# Allegro board C000PD020-3399PRO-DMEB-A-A01.brd (continued)
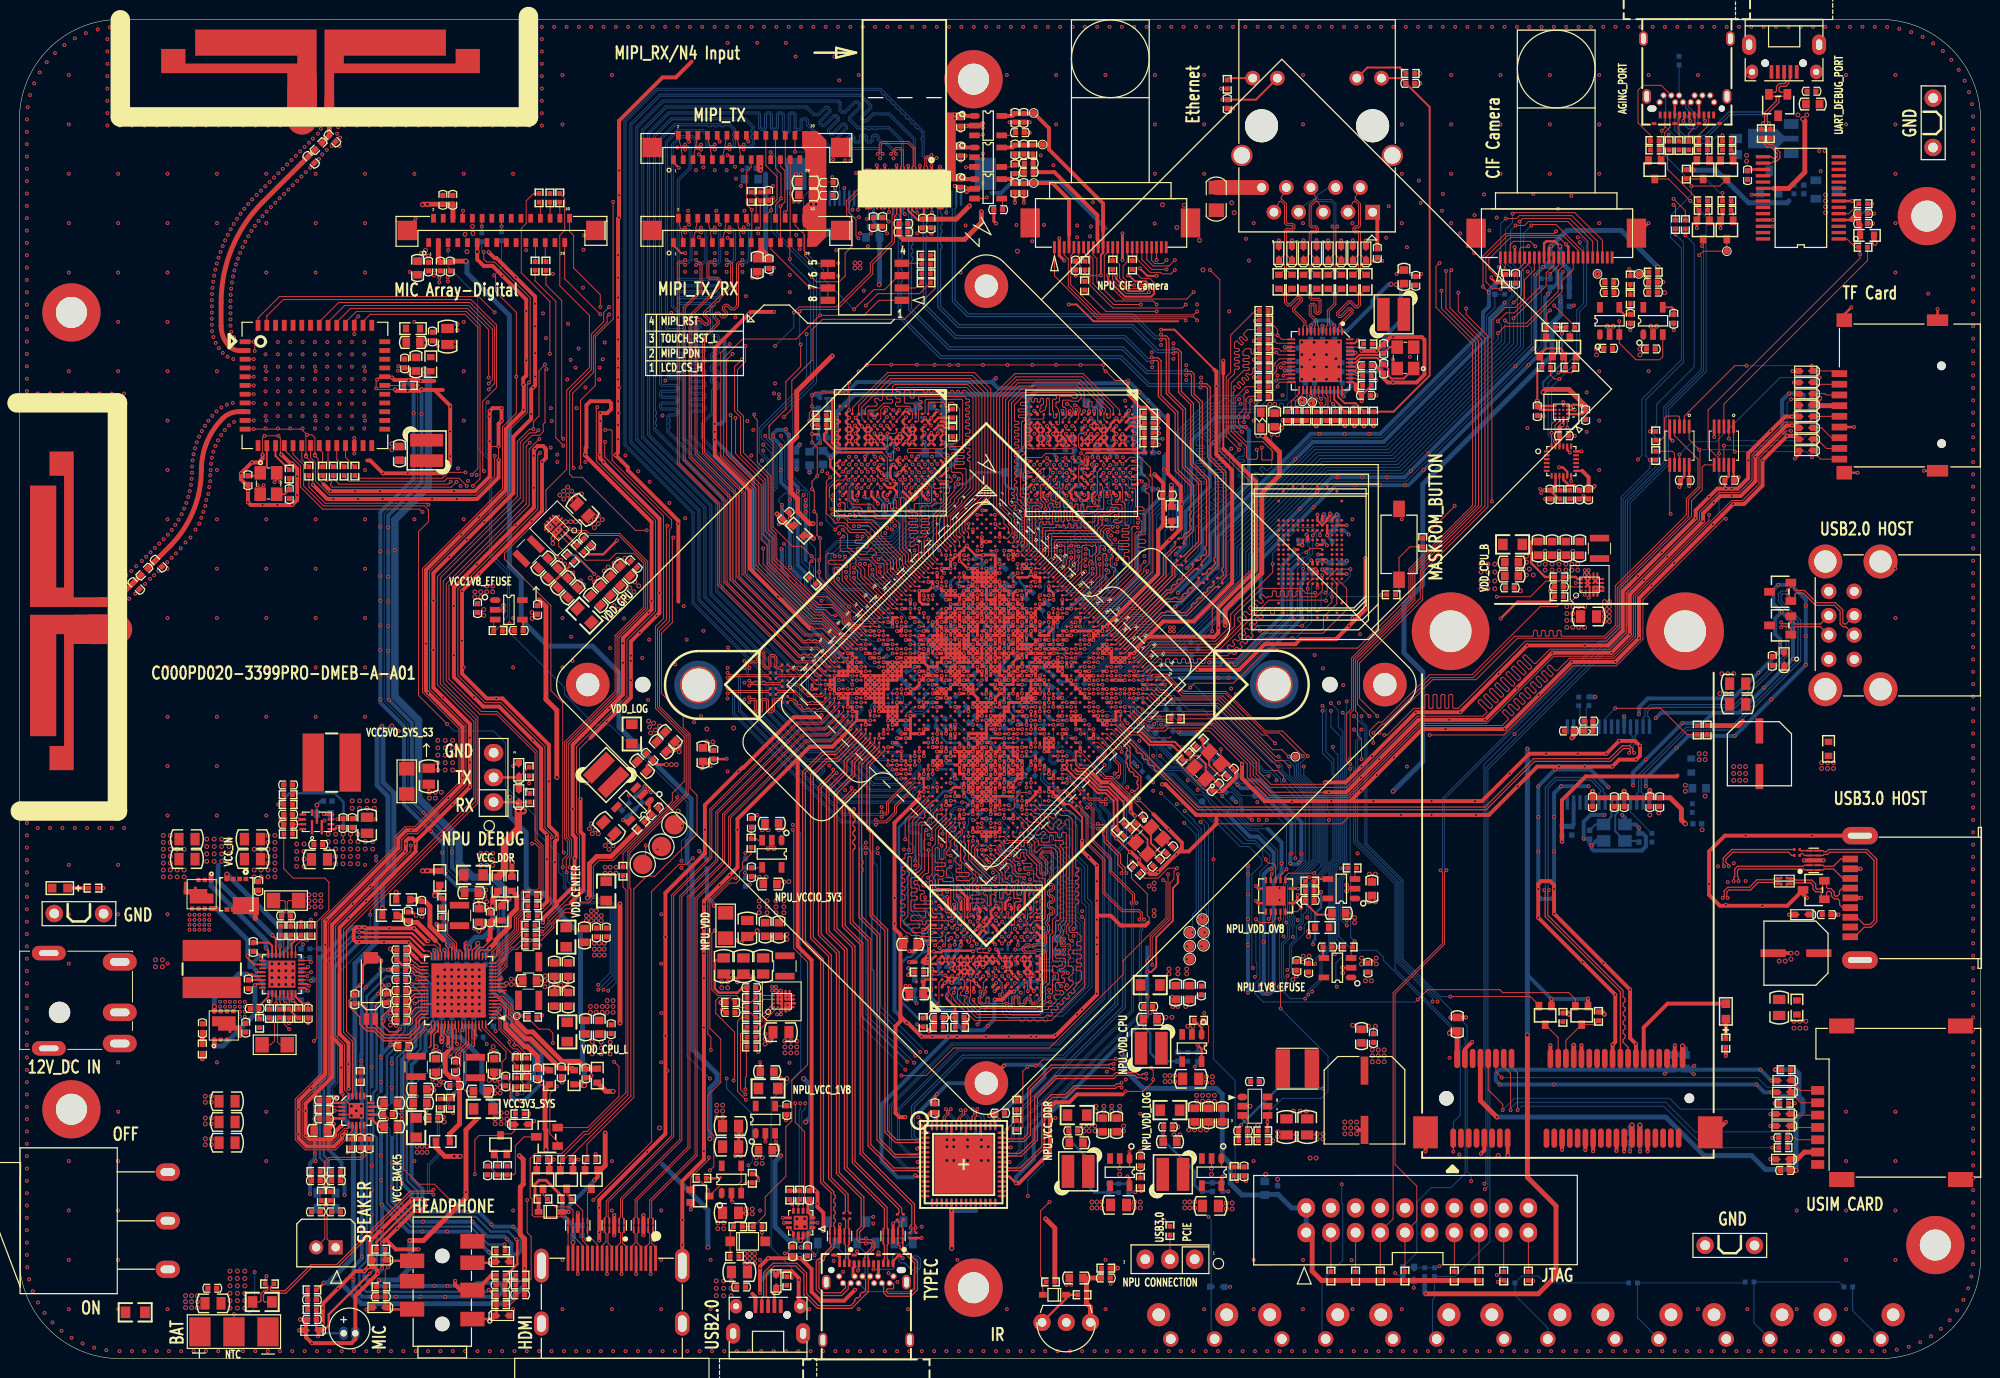
[diagram p0: board, top side]
## Routing (per net, layer and track width the routed paths; a pad name or vN(x,y) marks a point on that pad's centre or on a via; arc(x,y) is an arc through that point) (continued)
VDD_GPU_P: length 3.9
  TOP w0.254: 54.79,79.72 v1(56.67,81.6) 56.67,81.67 R2205.2
  BOTTOM w0.254: v1(56.67,81.6) 56.67,81.67 R2205.2
VDD_GPU_S0: length 24.2
  TOP w0.305: U1000.V15 97.65,73.03 v1(97.65,73.03) ; U1000.V15 98.57,73.03 v1(98.57,73.03) U1000.V16 v1(98.11,72.57) ; U1000.V15 v1(98.11,73.49) U1000.V14 ; U1000.V15 v1(98.11,72.57) ; 97.19,73.49 U1000.W14 97.19,73.03 v1(97.65,73.03) ; 97.19,73.49 U1000.V14 ; 97.19,73.49 U1000.V13 ; U1000.R12 v1(98.11,75.33) ; U1000.R12 v1(98.57,75.79) U1000.R13 ; U1000.R12 v1(98.11,76.25) U1000.R11 ; U1000.R12 v1(97.65,75.79) ; v1(98.11,75.33) 98.11,75.33 ; v1(98.11,75.33) 98.11,75.33 ; v1(98.11,75.33) U1000.T13 ; 98.11,75.33 U1000.R13 ; 98.11,75.33 U1000.T12 ; U1000.T12 v1(97.65,75.79) ; U1000.T12 v1(97.65,74.87) ; v1(97.65,75.79) U1000.R11 ; v1(97.65,75.79) U1000.T11 v1(97.19,76.25) U1000.R11 ; U1000.R11 v1(97.65,76.71) ; U1000.R13 98.57,74.87 ; v1(98.11,72.57) U1000.W16 ; v1(98.11,72.57) U1000.W15 v1(97.65,73.03) ; v1(97.65,74.87) U1000.U13 ; v1(97.65,74.87) U1000.T13 ; v1(97.65,73.03) U1000.V14 ; U1000.W11 v1(95.82,74.87) ; v1(95.82,74.87) U1000.V11 ; v1(95.82,74.87) U1000.W10 v1(95.36,75.33) ; v1(97.19,74.41) U1000.U13 ; v1(97.19,74.41) U1000.V13 ; v1(97.19,74.41) U1000.V12 ; U1000.U13 97.65,73.95 ; v1(96.27,74.41) 96.28,74.41 U1000.V12 ; v1(96.27,74.41) U1000.V11 ; v1(96.27,74.41) U1000.W12 ; U1000.V14 97.65,73.95 ; 97.65,73.95 U1000.V13 ; U1000.V12 v1(96.73,74.87) 96.28,74.87 U1000.V11 ; 98.57,74.87 U1000.T13 ; 98.57,74.87 U1000.T14 ; U1000.V11 v1(96.27,75.33)
  BOTTOM w0.254: 98.87,75.77 98.59,75.77 v1(98.57,75.79)
  vias: v2(60.58,76.77) v2(60.99,76.36) v2(61.19,77.48) v2(61.6,77.07) v2(61.7,78.09) v2(62.1,77.68) v2(62.2,78.7) v2(62.61,78.29) v2(62.81,79.31) v2(63.22,78.9) v2(63.32,79.92) v2(63.73,79.51)
VDD_LOG_S3: length 15.2
  TOP w0.305: v1(99.95,70.73) U1000.V19 ; v1(99.95,70.73) U1000.W20 ; v1(99.95,70.73) 100.41,70.73 ; U1000.V19 v1(99.95,71.65) ; U1000.V19 100.41,71.19 v1(100.41,71.19) ; v1(99.95,71.65) U1000.V18 v1(99.49,72.11) ; v1(99.95,71.65) U1000.U18 ; v1(99.49,72.11) U1000.U18 ; v1(99.49,72.11) U1000.U17 ; 100.87,70.78 U1000.U20 ; 100.87,70.78 100.83,70.73 100.41,70.73 ; 100.87,70.78 100.87,70.27 v1(101.33,70.27) U1000.V22 v1(101.79,69.81) ; U1000.U20 v1(100.87,71.65) ; U1000.U20 v1(100.41,71.19) ; U1000.U18 v1(99.95,72.57) ; v1(99.95,72.57) U1000.U17 ; v1(99.95,72.57) U1000.T17 ; v1(102.25,75.79) U1000.L17 101.79,75.33 v1(101.79,75.33) U1000.M17 ; U1000.U17 v1(99.49,73.03) 99.95,73.03 U1000.T17 ; v1(100.41,71.19) 100.41,70.73 ; U1000.T17 v1(99.95,73.49)
  BOTTOM w0.254: v1(101.33,70.27) 101.54,70.06 C1035.1 101.57,70.03 v1(101.79,69.81) ; v1(101.79,75.33) 101.31,75.81 C1031.1
  BOTTOM w0.305: C1037.1 101.82,75.08 101.82,75.3 v1(101.79,75.33) v1(102.25,75.79)
  vias: v1(99.03,69.81) v2(60.27,50.56) v2(60.27,49.95) v2(60.78,50.56) v2(60.78,49.95) v2(61.39,50.56) v2(61.39,49.95) v2(64.74,65.59) v2(64.85,64.98) v2(64.95,64.37) v2(65.25,65.39) v2(65.46,64.68) v2(65.86,65.09) v2(70.74,63.46) v2(71.35,63.46)
VDDA: length 10.1
  TOP w0.203: v1(24.36,39.94) 24.54,39.76 U2003.28
  BOTTOM w0.406: R2025.2 27.86,43.5 27.86,42.53 26.85,41.51 24.83,41.51 C2030.2 23.86,40.44 v1(24.36,39.94) 24.36,39.33 25.08,38.61 R2023.1
ADC0_HW_ID1: length 124.4
  TOP w0.102: v1(44.11,114.06) J7500.5
  TOP w0.305: U1000.W27 v1(103.63,67.05)
  S1 w0.089: v1(103.63,67.05) 103.19,67.05 103.05,66.92 103.03,66.92 96.83,60.72 96.55,60.72 95.38,59.55 95.38,58.48 93.32,56.42
  S1 w0.102: 93.32,56.42 92.53,55.64 92.53,50.89 92.54,50.88 92.54,50.59 92.53,50.58 92.53,50.57 92.31,50.35 76.51,50.35 76.51,50.35 75.86,50.35 75.86,50.35 75.01,50.35 v1(74.65,50) 74.3,50.35 71.55,50.35 70.03,51.88 68.76,51.88 68.12,51.24 v1(68.12,51.21)
  BOTTOM w0.089: C7506.1 103.63,67.02 v1(103.63,67.05)
  BOTTOM w0.102: v1(68.12,51.21) 68.12,53.22 68.71,53.81 68.71,57.26 60.77,65.2 59.23,65.2 56.08,68.36 56.08,69.08 50.57,74.59 50.57,75.06 50.36,75.27 49.89,75.27 49.81,75.35 49.81,75.96 50.22,76.36 50.22,80.73 48.39,82.56 48.39,92.42 47.15,93.65 47.15,109.3 44.11,112.34 v1(44.11,114.06) ; R1508.2 74.7,50.05 v1(74.65,50) 74.7,49.95 R1509.1
ADC2_KEY_IN: length 276.2
  TOP w0.102: v1(146.33,109.89) 146.33,108.06 149.83,104.56 149.83,87.79 143.18,81.14 143.18,78.19 137.08,72.1 137.08,66.86 136.53,66.3 136.53,61.58 136.88,61.22 136.88,61.19 v1(136.93,61.19) ; J7500.8 45.61,118.08 v1(45.64,118.12)
  TOP w0.305: U1000.Y28 v1(103.63,66.14)
  S1 w0.089: 110.26,61.02 109.58,61.7 108.87,61.7 105.49,65.09 105.49,65.69 104.91,66.27 104.87,66.27 104.61,66.53 104.48,66.53 104.09,66.14 v1(103.63,66.14)
  S1 w0.102: v1(136.93,61.19) 137.12,61.19 137.29,61.02 137.29,60.51 137.08,60.31 132.43,60.31 127.91,55.79 115.49,55.79 114.43,56.86 113.11,56.86 110.77,59.19 110.77,60.51 110.26,61.02 ; v1(45.64,118.12) 46.46,118.12 49.66,114.92 102.95,114.92 107.01,110.86 124.69,110.86 126.31,109.23 145.67,109.23 v1(146.33,109.89) ; v1(146.13,9.51) 147.24,8.39 151.82,8.39 v1(152.02,8.6)
  BOTTOM w0.102: R1502.1 152.18,8.6 v1(152.02,8.6) ; v1(146.13,9.51) 145.97,9.35 R1501.1 R1500.1 143.52,9.35 ED1500.1 143.39,9.45 C1500.1 143.79,10.87 143.79,16.11 145.26,17.59 147.29,17.59 148.77,19.06 148.77,32.88 141.55,40.09 141.55,48.83 137.29,53.1 137.29,60.83 v1(136.93,61.19)
ADC3_HP_HOOK: length 105.6
  TOP w0.102: v1(69.29,51.5) 68.66,50.86 67.85,50.86 65.05,48.06 65.05,22.31 v1(59.06,16.32) ; R7001.2 50.52,5.55 51.03,6.06 51.03,6.52 C7000.1 R7012.1 51.48,7.99 52.45,7.99 52.65,8.19 52.65,12.56 52.25,12.96 v1(52.25,16.32)
  TOP w0.305: U1000.Y27 v1(103.17,66.59)
  S1 w0.089: 93.54,56.2 94.85,57.52 95.47,57.52 96.14,58.19 96.15,58.19 96.34,58.38 96.34,59.31 99.28,62.25 102.74,65.71 102.74,66.17 v1(103.17,66.59)
  S1 w0.102: v1(59.06,16.32) 58.85,16.52 52.45,16.52 v1(52.25,16.32) ; 93.54,56.2 92.74,55.4 92.74,50.97 92.74,50.97 92.74,50.51 92.74,50.5 92.74,50.49 92.4,50.15 76.42,50.15 76.42,50.15 75.95,50.15 75.46,50.15 74.96,49.64 74.14,49.64 73.63,50.15 71.15,50.15 69.8,51.5 v1(69.29,51.5)
ADC5_BOARD_ID: length 5.4
  TOP w0.305: U1000.AA27 v1(102.25,65.68)
  BOTTOM w0.089: R1513.1 99.16,64.78 99.97,64.78 100.55,65.35 100.81,65.62 100.81,66.08 R1512.1 101.41,66.22 101.94,65.68 101.94,65.4 101.98,65.4 v1(102.25,65.68)
BATT_TC_L: length 159.7
  TOP w0.102: BT2000.2 v1(22.07,4.58) ; v1(117.68,49.24) 117.78,49.24 117.98,49.03 117.98,45.36 113.56,40.94 113.56,39.53 105.99,31.96 96.14,31.96 93.29,29.12 v1(90.75,29.12)
  TOP w0.203: U1000.Y29 v1(103.63,65.22)
  S1 w0.089: v1(103.63,65.22) 103.63,64.76 103.95,64.43 103.95,64.16 103.76,63.97 103.26,63.97 102.34,63.05 102.34,62.38 102.39,62.33 102.39,62.32 102.57,62.13 102.58,62.13 102.85,61.87 102.85,61.86 103.03,61.68 104.06,61.68 104.27,61.89 104.78,61.89 106.98,59.68 106.98,59.57 107,59.55 107,57.76
  S1 w0.102: v1(24.21,8.9) 24.51,9.21 34.87,9.21 36.4,10.73 37.31,10.73 46.15,19.57 68.81,19.57 69.42,20.18 71.55,20.18 72.16,19.57 74.7,19.57 v1(75.01,19.87) ; v1(72.77,28.81) 72.97,29.02 76.02,29.02 77.04,28 89.64,28 v1(90.75,29.12) ; 107,57.76 107,56.41 112.95,50.46 114.83,50.46 115.65,49.64 117.27,49.64 v1(117.68,49.24)
  BOTTOM w0.102: v1(75.01,19.87) 75.41,20.28 75.41,25.16 72.77,27.8 v1(72.77,28.81) ; C2049.1 22.07,4.58 v1(22.07,4.58) 23.55,4.58 24.21,5.24 v1(24.21,8.9)
BT_HOST_WAKE_L: length 210.6
  TOP w0.102: U6100.50 24.55,107.09 26.75,109.28 47.27,109.28 v1(48.9,107.66) ; U1000.J35 v1(111.9,67.97) ; v1(148.87,108.06) 148.87,107.45 151.1,105.22 151.1,87.64 144.4,80.94 144.4,78.09 137.9,71.59 137.9,67.93 v1(139.73,66.1)
  S1 w0.102: v1(111.9,67.97) 111.9,67.41 113.26,66.05 114.17,66.05 117.41,62.81 122.69,62.81 125.06,65.19 137,65.19 137.1,65.29 139.32,65.29 139.73,65.7 v1(139.73,66.1) ; v1(48.9,107.66) 50.67,105.88 61.4,105.88 61.44,105.84 61.7,105.84 61.73,105.88 111.79,105.88 114.94,109.03 124.89,109.03 125.86,108.06 v1(148.87,108.06)
BT_REG_ON_H: length 82.6
  TOP w0.102: v1(46.53,90.94) 47.17,91.58 47.17,106.13 45.85,107.45 36.09,107.45 35.35,106.71 U6100.38 ; U1000.AF8 v1(90.76,72.57)
  S1 w0.089: v1(90.76,72.57) 90.76,72.1 90.63,71.97 90.63,71.97 90.44,71.78 90.44,71.78 90.17,71.51 90.17,71.51 89.98,71.33 89.7,71.33 89.51,71.51 89.25,71.51 89.06,71.33 88.79,71.33 88.6,71.51 88.33,71.51 88.14,71.33 87.01,71.33 85.43,72.91 84.96,72.91 84.86,72.81 83.85,72.81
  S1 w0.102: v1(46.53,90.94) 46.53,90.82 47.02,90.33 58.52,90.33 76.03,72.82 82.71,72.82 82.73,72.81 83.85,72.81
BT_WAKE_L: length 90.5
  TOP w0.102: U1000.AJ5 v1(88,72.57) ; v1(47.8,91.32) 47.68,91.45 47.68,98.51 49.1,99.93 49.1,106.36 46.48,108.98 27.15,108.98 25.45,107.28 U6100.49
  S1 w0.089: 84.76,73.72 86.39,73.72 86.75,73.35 86.76,73.35 87.54,72.57 v1(88,72.57)
  S1 w0.102: 84.76,73.72 84.25,73.72 83.29,74.69 75.59,74.69 59.54,90.74 48.39,90.74 v1(47.8,91.32)
CC1: length 2.9
  TOP w0.102: R9712.1 171.78,126.1 172.24,126.55 172.24,126.96 172.34,127.06 172.34,127.96 J9702.A5
CC2: length 3.1
  BOTTOM w0.102: R9713.1 J9702.B5
CHG_OK_H: length 157
  TOP w0.102: U1000.D39 115.58,68.44 116.05,68.44 117.07,67.42 123.37,67.42 129.26,61.53 130.07,61.53 v1(130.68,60.92) ; v1(27.76,33.89) 27.25,34.4 27.25,36.18 26.81,36.63 U2003.4
  S1 w0.102: v1(131.04,43.39) 130.58,43.85 125.7,43.85 123.57,41.72 114.24,41.72 106.32,33.79 94.41,33.79 93.9,34.3 93.29,34.3 92.79,33.79 91.16,33.79 90.15,32.78 86.79,32.78 85.78,33.79 71.86,33.79 68.3,37.35 58.75,37.35 55.6,34.2 53.47,34.2 51.13,31.86 49.81,31.86 47.07,34.61 43.41,34.61 41.88,33.08 36.09,33.08 35.28,33.89 v1(27.76,33.89)
  BOTTOM w0.102: v1(130.68,60.92) 130.68,60.07 133.53,57.23 133.53,51.18 130.89,48.54 130.89,45.48 131.19,45.17 131.19,44.56 131.04,44.41 v1(131.04,43.39)
CIF_CLKI: length 64.2
  TOP w0.102: U1000.H26 v1(108.22,72.57)
  BOTTOM w0.089: v1(108.22,72.57) 108.69,72.57 109.07,72.18 109.84,72.18 111.99,74.33
  BOTTOM w0.102: 111.99,74.33 113,74.33 114.53,75.86 116.26,75.86 118.8,78.4 119.51,78.4 122.94,81.82 122.94,84.72 132.97,94.75 140.19,94.75 149.4,103.97 150.95,105.52 150.95,107.3 151.82,108.16 C4700.1 R4700.1
CIF_CLKIN: length 16.7
  TOP w0.102: J4700.17 160.39,114.02 158.83,115.58 153.14,115.58 150.9,113.35 150.9,110.81 151.61,110.09 152.32,110.09 152.37,110.04 v1(152.43,110.04)
  BOTTOM w0.102: R4700.2 152.51,110.09 152.48,110.09 v1(152.43,110.04)
CIF_CLKO: length 56.2
  BOTTOM w0.102: R1900.2 121.12,73.73 127.31,79.92 127.31,82.38 135.2,90.28 142.73,90.28 156.59,104.15 R4701.1
CIF_CLKOUT: length 3.5
  TOP w0.102: v1(157.51,111.62) 158.39,112.5 J4700.13
  BOTTOM w0.102: v1(157.51,111.62) C4701.1 R4701.2
CIF_CLKOUTA: length 9.4
  TOP w0.102: U1000.E34 v1(113.28,70.27)
  BOTTOM w0.102: v1(113.28,70.27) 113.72,70.27 114.78,71.33 114.99,71.33 116.15,72.5 119.91,72.5 120.21,72.79 ; R1900.1 120.21,72.79 ; 120.21,72.79 R1901.1
CIF_D0: length 80
  TOP w0.102: v1(153.95,116.6) 154.86,116.6 155.27,117 159.33,117 161.39,114.95 J4700.19 ; U1000.D33 v1(113.28,71.19)
  BOTTOM w0.102: v1(153.95,116.6) 153.44,116.09 153.44,112.84 154.46,111.82 154.46,104.17 141.99,91.7 134.47,91.7 125.88,83.12 125.88,80.5 118.8,73.42 116.05,73.42 115.44,72.81 115.44,72.71 114.85,72.11 114.72,72.11 113.8,71.19 v1(113.28,71.19)
CIF_D1: length 87
  TOP w0.102: J4700.21 162.39,114.97 159.74,117.61 154.36,117.61 154.05,117.31 v1(152.93,117.31)
  TOP w0.305: U1000.J27 v1(107.77,71.19)
  BOTTOM w0.089: 113.46,74.48 112.9,73.92 111.88,73.92 109.74,71.78 109.74,71.78 109.48,71.51 109.47,71.51 109.28,71.33 109.28,71.32 109.02,71.06 109.01,71.06 108.82,70.87 108.82,70.86 108.74,70.78 108.33,70.78 107.92,71.19 v1(107.77,71.19)
  BOTTOM w0.102: 113.46,74.48 114.53,75.55 116.36,75.55 117.58,76.77 119.3,76.77 123.75,81.21 123.75,84.41 133.17,93.84 140.59,93.84 151.71,104.96 151.71,106.94 153.24,108.47 153.24,108.77 153.85,109.38 153.85,111.31 152.43,112.74 152.43,116.8 v1(152.93,117.31)
CIF_D2: length 84.8
  TOP w0.102: J4700.22 162.89,115.08 160.05,117.92 153.75,117.92 v1(153.64,117.82) ; U1000.F33 v1(112.36,70.27)
  BOTTOM w0.089: 113.72,72.2 113.72,72.09 112.36,70.73 v1(112.36,70.27)
  BOTTOM w0.102: 113.72,72.2 115.24,73.72 118.69,73.72 125.58,80.6 125.58,83.3 134.29,92.01 141.81,92.01 154.14,104.33 154.14,111.58 152.93,112.78 152.93,116.19 153.64,116.9 v1(153.64,117.82)
CIF_D3: length 81.1
  TOP w0.102: U1000.E33 v1(112.82,70.73) ; J4700.20 161.89,114.96 159.54,117.31 154.66,117.31 v1(154.36,117)
  BOTTOM w0.102: v1(154.36,117) 154.46,116.9 154.46,112.36 154.76,112.06 154.76,104.05 142.12,91.4 134.59,91.4 126.19,82.99 126.19,80.4 118.9,73.11 116.15,73.11 114.91,71.87 114.76,71.87 113.74,70.85 112.94,70.85 v1(112.82,70.73)
CIF_D4: length 79.9
  TOP w0.102: v1(155.58,116.6) 155.68,116.7 158.12,116.7 160.89,113.93 J4700.18 ; U1000.G33 v1(111.9,69.81)
  BOTTOM w0.089: 113.61,70.65 113.2,70.65 112.36,69.81 v1(111.9,69.81)
  BOTTOM w0.102: v1(155.58,116.6) 154.76,115.78 154.76,113.04 155.58,112.23 155.58,104.35 142.32,91.1 134.8,91.1 126.49,82.79 126.49,80.3 119,72.81 116.15,72.81 114.97,71.63 114.8,71.63 113.82,70.65 113.61,70.65
CIF_D5: length 71.2
  TOP w0.102: v1(152.14,105.52) 152.85,106.23 155.17,106.23 158.72,109.79 158.72,110.91 159.89,112.07 J4700.16 ; U1000.G29 v1(110.06,71.65)
  BOTTOM w0.089: 112.29,73.42 110.52,71.65 v1(110.06,71.65)
  BOTTOM w0.102: v1(152.14,105.52) 152.14,104.88 140.8,93.53 133.27,93.53 124.05,84.31 124.05,81.11 119.46,76.52 117.73,76.52 116.46,75.25 114.63,75.25 112.8,73.42 112.29,73.42
CIF_D6: length 72.5
  TOP w0.102: J4700.14 158.89,112.49 158.32,111.92 158.32,109.79 155.07,106.54 153.16,106.54 v1(152.86,106.84) ; U1000.H29 v1(109.6,71.19)
  BOTTOM w0.089: v1(109.6,71.19) 110.06,71.19 110.37,70.88 110.37,70.88 110.39,70.87 110.96,70.87
  BOTTOM w0.102: 110.96,70.87 113,72.91 113.21,72.91 114.94,74.64 116.76,74.64 118.03,75.91 119.66,75.91 124.66,80.91 124.66,83.91 133.68,92.92 141.2,92.92 152.86,104.58 v1(152.86,106.84)
CIF_D7: length 69.4
  TOP w0.102: J4700.12 157.89,112.51 157.1,111.72 157.1,110.4 v1(153.75,107.05) ; U1000.G32 v1(111.44,70.27)
  BOTTOM w0.102: v1(153.75,107.05) 153.75,104.45 141.61,92.31 134.09,92.31 125.27,83.5 125.27,80.71 118.59,74.03 115.14,74.03 113.63,72.51 113.2,72.51 111.44,70.76 v1(111.44,70.27)
CIF_HREF: length 69.1
  TOP w0.102: v1(152.12,106.74) 152.98,107.61 153.8,107.61 156.39,110.19 J4700.9 ; U1000.G30 v1(110.52,71.19)
  BOTTOM w0.102: v1(110.52,71.19) 111.01,71.19 114.76,74.94 116.56,74.94 117.83,76.21 119.56,76.21 124.36,81.01 124.36,84.11 133.48,93.23 141,93.23 152.5,104.73 152.5,106.37 v1(152.12,106.74)
CIF_RST: length 3.1
  TOP w0.102: J4700.6 154.89,112.76 153.95,111.82 C4702.1 R4702.2
CIF_VSYNC: length 69.1
  TOP w0.102: v1(153.75,108.67) 154.56,109.48 154.56,111.92 155.39,112.75 J4700.7
  TOP w0.305: U1000.H30 v1(110.06,70.73)
  BOTTOM w0.102: v1(110.06,70.73) 110.12,70.67 111.07,70.67 113.11,72.71 113.41,72.71 115.04,74.33 116.92,74.33 118.24,75.65 119.81,75.65 124.97,80.81 124.97,83.7 133.88,92.62 141.4,92.62 153.34,104.55 153.34,108.27 v1(153.75,108.67)
CIFCAM_PWREN_H: length 141.4
  TOP w0.102: v1(164.63,106.74) U4701.3 164.63,104.5 166.34,102.78 168.78,102.78 169.1,103.09 U4700.3 ; U1000.AM1 84.76,73.52 84.66,73.52 82.58,75.6 81.46,75.6 75.52,81.53 75.52,89.46 72.16,92.82 72.16,103.49 v1(73.08,104.4)
  S1 w0.102: v1(73.08,104.4) 73.48,104.81 76.23,104.81 76.48,105.07 112.14,105.07 115.19,108.11 125.04,108.11 125.55,107.61 145.87,107.61 146.02,107.45 154.56,107.45 155.27,106.74 v1(164.63,106.74)
CLKOUT_32K: length 204.8
  TOP w0.102: v1(51.23,27.19) 51.18,27.24 R2123.1 ; R1122.2 115.75,49.44 117.17,49.44 118.19,50.46 v1(119.1,50.46) 118.8,50.15 118.8,49.34 118.39,48.93 118.39,45.17 116.56,43.34 v1(116.56,40.5) ; R6113.1 v1(40.97,100.14)
  S1 w0.102: v1(131.29,51.47) 129.16,51.47 128.04,50.35 119.2,50.35 v1(119.1,50.46) ; v1(51.23,27.19) 51.44,26.99 58.95,26.99 62,30.03 80.53,30.03 82.23,31.74 90.46,31.74 91.5,32.78 107.11,32.78 114.63,40.3 116.36,40.3 v1(116.56,40.5)
  BOTTOM w0.102: R1100.2 118.52,63.05 121.84,63.05 125.76,59.14 127.49,59.14 131.29,55.33 v1(131.29,51.47) ; v1(51.23,27.19) 51.84,27.19 53.37,28.71 53.37,31.35 50.32,34.4 50.32,36.64 49,37.96 49,40.84 49.71,41.55 49.71,44.66 49.4,44.97 49.4,46.9 48.49,47.81 48.49,48.42 48.29,48.63 45.75,48.63 44.02,50.35 44.02,53.18 39.98,57.22 39.98,65.24 37.54,67.68 37.54,86.92 40.97,90.35 v1(40.97,100.14)
COMP_INT_H: length 128.3
  TOP w0.102: U1000.AJ1 86.09,74.94 85.67,74.94 84.86,75.75 84.86,76.36 83.64,77.58 82.22,77.58 77.65,82.15 77.65,84.69 77.04,85.3 77.04,90.69 74.5,93.23 74.5,96.99 73.89,97.6 73.89,101.76 74.7,102.58 v1(74.7,104.2) ; U9001.A1 v1(159.27,95.77)
  S1 w0.102: v1(159.27,95.77) 159.16,95.67 157.35,95.67 145.62,107.4 114.9,107.4 112.36,104.86 76.68,104.86 76.23,104.4 74.9,104.4 v1(74.7,104.2)
CPN: length 2.2
  TOP w0.127: 40.34,41.03 40.61,40.75 40.72,40.75 41.14,40.33 41.68,40.33 U?.36
  TOP w0.254: 40.34,41.03 C2132.1
CPP: length 3.3
  TOP w0.127: 39.83,40.52 40.54,40.52 40.97,40.09 41.12,40.09 41.23,39.98 U?.37
  TOP w0.254: C2132.2 39.35,40.52 39.83,40.52
CPU_B_SLEEP_H: length 54.5
  TOP w0.102: U2200.A1 159.64,77.89 158.72,77.89 158.22,77.38 156.49,77.38 149.48,70.37 145.11,70.37 140.23,65.49 139.83,65.49 138.91,64.58 138.91,64.17 139.32,63.76 v1(139.32,63.36) ; v1(129.21,63.31) 128.35,64.17 127.84,64.17 123.83,68.18 119.61,68.18 117.98,69.81 U1000.A39
  S1 w0.102: v1(129.21,63.31) 129.36,63.46 135.97,63.46 136.22,63.21 139.17,63.21 v1(139.32,63.36)
CPU_INT_NPU: length 3.2
  TOP w0.102: U1000.C39 116.51,68.89 117.17,68.24 117.37,68.24 v1(117.78,67.83)
  BOTTOM w0.102: v1(117.78,67.83) 118.07,67.54 R1125.2
CPU_RST_NPU: length 1.5
  TOP w0.102: v1(116.27,67.05) 115.81,67.51 U1000.E40
  BOTTOM w0.089: 116.28,67.04 v1(116.27,67.05)
  BOTTOM w0.102: R1105.2 116.65,66.67 116.28,67.04
DDC_SCL: length 8
  TOP w0.102: Q8200.3 56.31,16.87 R8202.2 57.96,15.22 U8200.2 U8200.9 57.96,12.13 58.46,11.63 J8200.15
DDC_SDA: length 9.7
  TOP w0.102: J8200.16 57.97,10.34 57.97,11.61 56.96,12.63 U8200.7 U8200.4 56.96,15.27 56.62,15.61 55.14,15.61 R8204.2 53.87,16.87 Q8201.3
DDR0_A0: length 33.6
  TOP w0.102: U3601.R2 85.73,97.22 85.73,97.85 89.33,101.46 98.27,101.46 99.95,99.78 99.95,88.7 97.29,86.04 97.29,85.34 97.65,84.98 U1000.F2
DDR0_A1: length 31.9
  TOP w0.102: U1000.F1 97.19,84.98 97,85.17 97,86.19 99.64,88.83 99.64,99.58 98.07,101.15 89.43,101.15 86.36,98.08 U3601.P2
DDR0_A2: length 31.6
  TOP w0.102: U3601.N2 87.05,97.25 87.05,97.75 87.3,98 88.11,98 88.27,98.16 88.27,98.26 88.01,98.51 88.01,98.72 88.11,98.82 88.32,98.82 88.55,98.58 88.69,98.58 88.82,98.72 88.82,99.53 89.84,100.54 97.66,100.54 99.03,99.17 99.03,89.08 96.39,86.44 96.39,84.72 96.6,84.52 96.74,84.52 U1000.G1
DDR0_A3: length 32.7
  TOP w0.102: U3601.N3 86.69,96.73 86.69,97.91 89.64,100.85 97.87,100.85 99.34,99.38 99.34,88.95 96.7,86.31 96.7,85.02 97.19,84.52 97.19,84.06 U1000.G2
DDR0_A4: length 33
  TOP w0.102: U3601.M3 87.33,96.75 87.33,97.5 87.43,97.6 88.21,97.6 88.93,98.31 89.74,98.31 89.84,98.41 89.84,98.61 89.74,98.72 89.33,98.72 89.23,98.82 89.23,98.96 89.33,99.06 89.74,99.06 89.84,99.16 89.84,100.01 90.07,100.24 97.56,100.24 98.73,99.07 98.73,89.21 96.09,86.56 96.09,84.69 96.73,84.05 96.73,83.6 U1000.H2
DDR0_A5: length 31.4
  TOP w0.102: U1000.H1 96.04,84.29 95.78,84.55 95.78,86.62 97.26,88.09 97.26,88.17 98.43,89.34 98.43,98.97 97.46,99.93 90.35,99.93 90.19,99.77 90.19,99.63 90.29,99.53 90.55,99.53 90.65,99.43 90.65,99.28 90.55,99.18 90.25,99.18 90.14,99.08 90.14,98.92 90.25,98.82 90.55,98.82 90.65,98.72 90.65,98.51 90.55,98.41 90.25,98.41 90.14,98.31 90.14,98.11 90.25,98 91.56,98 91.67,97.89 91.67,97.57 91.89,97.35 91.89,96.74 U3601.F3
DDR0_A6: length 31.4
  TOP w0.102: U3601.E3 92.43,96.41 92.53,96.51 92.53,97.59 92.62,97.68 92.8,97.68 92.89,97.77 92.89,97.89 92.8,97.98 92.62,97.98 92.53,98.07 92.53,98.2 92.62,98.29 92.8,98.29 92.89,98.38 92.89,98.5 92.8,98.59 92.62,98.59 92.53,98.68 92.53,98.94 92.6,99.01 97.26,99.01 97.36,98.91 97.36,98.81 97.45,98.72 97.68,98.72 97.76,98.63 97.76,98.51 97.68,98.42 97.45,98.42 97.36,98.33 97.36,98.2 97.45,98.11 97.68,98.11 97.76,98.02 97.76,97.9 97.68,97.81 97.45,97.81 97.36,97.72 97.36,97.59 97.45,97.5 97.68,97.5 97.76,97.41 97.76,97.29 97.68,97.2 97.45,97.2 97.36,97.11 97.36,96.98 97.45,96.89 97.68,96.89 97.76,96.8 97.76,96.68 97.68,96.59 97.45,96.59 97.36,96.5 97.36,96.37 97.45,96.28 97.68,96.28 97.76,96.2 97.76,96.07 97.68,95.98 97.45,95.98 97.36,95.89 97.36,95.76 97.45,95.67 97.68,95.67 97.82,95.53 97.82,95.31 97.73,95.22 97.45,95.22 97.36,95.13 97.36,95 97.45,94.91 97.73,94.91 97.82,94.82 97.82,94.7 97.73,94.61 97.45,94.61 97.36,94.52 97.36,94.39 97.45,94.3 97.73,94.3 97.82,94.21 97.82,94.09 97.73,94 97.45,94 97.36,93.91 97.36,93.78 97.45,93.69 97.73,93.69 97.82,93.6 97.82,93.38 97.73,93.29 97.65,93.29 97.56,93.2 97.56,93.07 97.65,92.98 97.73,92.98 97.82,92.89 97.82,92.77 97.73,92.68 97.65,92.68 97.56,92.59 97.56,92.46 97.65,92.37 97.73,92.37 97.82,92.28 97.82,89.59 96.6,88.37 96.6,88.14 95.17,86.72 95.17,84.25 95.54,83.89 95.81,83.61 U1000.J1
DDR0_A7: length 32
  TOP w0.102: U1000.J2 96.27,83.61 95.48,84.41 95.48,86.62 96.95,88.09 96.95,88.3 98.12,89.46 98.12,98.87 97.36,99.63 97.13,99.63 97.04,99.54 97.04,99.41 96.95,99.32 96.82,99.32 96.74,99.41 96.74,99.54 96.65,99.63 96.52,99.63 96.43,99.54 96.43,99.41 96.34,99.32 96.22,99.32 96.13,99.41 96.13,99.54 96.04,99.63 95.91,99.63 95.82,99.54 95.82,99.41 95.73,99.32 95.61,99.32 95.52,99.41 95.52,99.54 95.43,99.63 95.3,99.63 95.21,99.54 95.21,99.41 95.12,99.32 95,99.32 94.91,99.41 94.91,99.54 94.82,99.63 94.69,99.63 94.6,99.54 94.6,99.41 94.51,99.32 94.39,99.32 94.3,99.41 94.3,99.54 94.21,99.63 94.08,99.63 93.99,99.54 93.99,99.41 93.9,99.32 93.78,99.32 93.69,99.41 93.69,99.54 93.6,99.63 93.47,99.63 93.38,99.54 93.38,99.41 93.29,99.32 93.17,99.32 93.08,99.41 93.08,99.54 92.99,99.63 92.18,99.63 92.08,99.53 92.08,98.92 91.97,98.82 91.77,98.82 91.67,98.92 91.67,99.53 91.57,99.63 91.16,99.63 91.06,99.53 91.06,98.41 91.16,98.31 91.97,98.31 92.08,98.21 92.08,98 92.21,97.87 U3601.E2
DDR0_A8: length 31.8
  TOP w0.102: U1000.K2 95.81,83.13 94.67,84.28 94.67,86.39 94.76,86.48 94.78,86.48 94.87,86.57 94.87,86.82 96.19,88.14 96.19,88.4 97.41,89.62 97.41,91.48 97.3,91.59 96.29,91.59 96.19,91.69 96.19,91.93 96.28,92.02 97.12,92.02 97.21,92.11 97.21,92.23 97.12,92.32 96.33,92.32 96.24,92.41 96.24,92.54 96.33,92.63 97.12,92.63 97.21,92.72 97.21,92.84 97.12,92.93 96.02,92.93 95.94,93.02 95.94,93.15 96.02,93.24 97.12,93.24 97.21,93.33 97.21,93.45 97.12,93.54 95.8,93.54 95.73,93.61 95.73,93.77 95.8,93.85 96.96,93.85 97.05,93.93 97.05,98.61 96.95,98.71 93.29,98.71 93.19,98.61 93.19,97.31 93.09,97.21 U3601.D2
DDR0_A9: length 31.2
  TOP w0.102: U3601.C2 93.51,98.3 93.61,98.41 95.1,98.41 95.2,98.3 95.2,98.02 95.3,97.92 95.51,97.92 95.61,98.02 95.61,98.3 95.71,98.41 96.06,98.41 96.75,97.72 96.75,94.6 96.3,94.14 95.58,94.14 95.07,93.63 91.47,93.63 91.36,93.53 91.36,93.33 91.47,93.22 94.59,93.22 95.23,92.59 95.68,92.59 95.89,92.39 95.89,91.29 95.99,91.19 96.8,91.19 97.06,90.93 97.06,89.7 95.78,88.43 95.78,88.14 94.36,86.72 94.36,84.14 94.41,84.08 95.02,83.47 95.35,83.14 U1000.K1
DDR0_CKE0: length 28.6
  TOP w0.102: v1(89.27,96.88) 88.96,96.57 U3601.K3 ; U1000.E1 97.65,85.9 v1(97.65,85.9)
  S1 w0.102: v1(97.65,85.9) 97.53,86.02 97.53,88.57 98.43,89.46 98.43,96.52 97.65,97.29 97.36,97.29 97.26,97.19 97.26,96.89 97.16,96.78 96.95,96.78 96.85,96.89 96.85,97.19 96.75,97.29 96.55,97.29 96.44,97.19 96.44,96.18 96.33,96.07 96.06,96.07 95.96,96.17 95.96,96.52 95.86,96.62 94.77,96.62 94.67,96.52 94.67,95.7 94.56,95.6 94.36,95.6 94.26,95.7 94.26,97.03 94.13,97.16 92.79,97.16 92.66,97.03 92.66,96.32 92.56,96.22 92.36,96.22 92.26,96.32 92.26,97.03 91.93,97.36 91.57,97.36 91.44,97.23 90.93,97.23 90.75,97.06 90.75,96.96 90.65,96.86 90.45,96.86 90.35,96.96 90.35,97.13 90.25,97.23 89.84,97.23 89.48,96.88 v1(89.27,96.88)
DDR0_CKE1: length 28.7
  TOP w0.102: v1(98.57,83.14) 98.58,83.14 U1000.F5 ; v1(88.62,96.02) 88.96,95.69 U3601.K4
  S1 w0.102: v1(88.62,96.02) 88.65,96.02 88.82,96.2 88.82,96.96 89.1,97.23 89.36,97.23 89.56,97.44 89.56,97.77 90.16,98.37 98.72,98.37 99.03,98.05 99.03,89.21 98.12,88.3 98.12,86.72 98.58,86.26 98.58,83.18 98.62,83.14 v1(98.57,83.14)
DDR0_CLK: length 31.7
  TOP w0.102: v1(89.93,96.02) 89.61,96.34 U3601.J3 ; v1(97.19,82.68) 97.32,82.55 97.52,82.55 U1000.H4
  S1 w0.102: v1(97.19,82.68) 97.13,82.61 97.13,82.47 97.19,82.41 97.34,82.41 97.61,82.67 97.61,82.86 97.46,83.01 97.36,83.01 96.81,83.56 96.81,83.73 96.81,83.87 97,84.06 97,88.85 97.92,89.77 97.92,95.73 97.82,95.83 97.59,95.83 97.51,95.75 97.51,92.92 97.21,92.61 96.9,92.61 96.6,92.92 96.6,95.34 96.41,95.53 95.97,95.53 95.76,95.32 95.76,94.89 95.51,94.64 94.87,94.64 94.67,94.44 94.21,94.44 93.98,94.67 92.92,94.67 92.74,94.49 92.28,94.49 92.09,94.68 91.41,94.68 91.04,95.04 91.04,95.24 90.6,95.68 90.6,96.01 90.26,96.35 90.09,96.35 90.06,96.32 90.04,96.32 89.93,96.21 v1(89.93,96.02)
DDR0_CLKN: length 31.3
  TOP w0.102: v1(97.66,82.22) 97.68,82.22 97.62,82.22 97.62,82.22 97.19,82.22 U1000.J4 ; U3601.J2 89.61,97.11 v1(89.92,96.8)
  S1 w0.102: v1(89.92,96.8) 90.17,96.55 90.35,96.55 90.81,96.09 90.81,95.76 91.25,95.32 91.25,95.13 91.49,94.88 92.17,94.88 92.18,94.87 94.06,94.87 94.2,94.73 94.67,94.73 94.79,94.85 95.43,94.85 95.56,94.97 95.56,95.4 95.88,95.73 96.5,95.73 96.8,95.43 96.8,93 96.98,92.82 97.12,92.82 97.31,93 97.31,95.84 97.5,96.03 97.9,96.03 98.12,95.81 98.12,89.68 97.21,88.77 97.21,83.98 97.1,83.88 97.1,83.55 97.44,83.21 97.54,83.21 97.82,82.94 97.82,82.48 97.65,82.32 97.65,82.25 97.62,82.22 97.62,82.22 97.68,82.22 v1(97.66,82.22)